# KiCad board 11-10084__speedy_processing_module__B.kicad_pcb (continued)
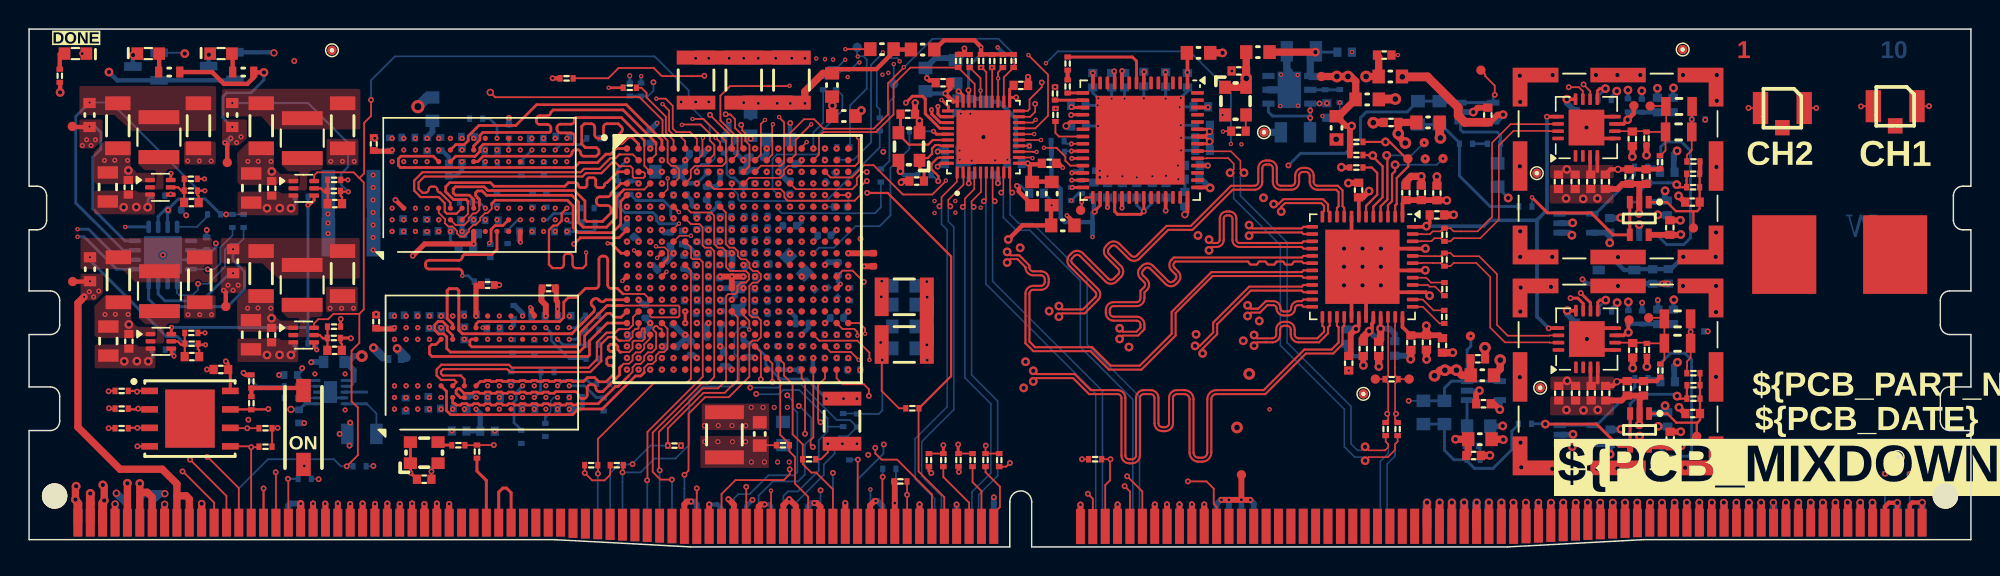
[diagram p0: board, top side]
## Routing (per net, layer and track width the routed paths; a pad name or vN(x,y) marks a point on that pad's centre or on a via; arc(x,y) is an arc through that point) (continued)
/TOP_LEVEL_IO/ETH_LD1: length 4.4
  L1 w0.12: R123.1 64.79,4.45 65.4,3.84 JEDEC1.74
/TOP_LEVEL_IO/ETH_LD2: length 4.8
  L1 w0.12: JEDEC1.73 64.55,3.04 62.78,4.81 R118.1
/TOP_LEVEL_IO/ETH_TD0+: length 25.4
  L1 w0.107: 63.71,25.71 63.71,25.09 62.66,24.05 62.66,23.56 v1(62.52,23.41)
  L10 w0.107: v1(62.52,23.41) 62.66,23.27 62.66,22.19 63.04,21.81 63.04,9.63 60.84,7.43 60.84,4.67 62.19,3.32 62.19,2.51
/TOP_LEVEL_IO/ETH_TD0-: length 25.4
  L1 w0.107: 64.17,25.71 64.17,24.9 63.12,23.86 63.12,23.56 v1(63.27,23.41)
  L10 w0.107: 62.66,2.51 62.66,3.51 61.3,4.86 61.3,7.24 63.5,9.44 63.5,22 63.12,22.38 63.12,23.27 v1(63.27,23.41)
/TOP_LEVEL_IO/ETH_TD1+: length 24.9
  L1 w0.107: v1(64.12,23.37) 64.26,23.52 64.26,23.95 64.91,24.59 64.91,25.71
  L10 w0.107: v1(64.12,23.37) 64.26,23.23 64.26,11.63 66.05,9.84 66.05,5.08 64.74,3.77 64.74,2.51
/TOP_LEVEL_IO/ETH_TD1-: length 24.9
  L1 w0.107: 65.37,25.71 65.37,24.4 64.72,23.76 64.72,23.52 v1(64.87,23.37)
  L10 w0.107: 65.21,2.51 65.21,3.58 66.51,4.89 66.51,10.03 64.72,11.82 64.72,23.23 v1(64.87,23.37)
/TOP_LEVEL_IO/ETH_TD2+: length 27.4
  L1 w0.107: 65.71,25.71 65.71,23.91 v1(65.56,23.76)
  L10 w0.107: v1(65.56,23.76) 65.71,23.62 65.71,18.07 73.25,10.53 73.25,1.6
/TOP_LEVEL_IO/ETH_TD2-: length 27.4
  L1 w0.107: v1(66.31,23.76) 66.17,23.91 66.17,25.71
  L10 w0.107: 73.71,1.6 73.71,10.72 66.17,18.26 66.17,23.62 v1(66.31,23.76)
/TOP_LEVEL_IO/ETH_TD3+: length 27.6
  L1 w0.107: v1(66.76,24.36) 66.91,24.5 66.91,25.71
  L10 w0.107: v1(66.76,24.36) 66.91,24.22 66.91,22.64 67.78,21.77 68.73,21.77 72.19,18.31 72.19,13.74 75.79,10.13 75.79,2.51
/TOP_LEVEL_IO/ETH_TD3-: length 27.6
  L1 w0.107: 67.37,25.71 67.37,24.5 v1(67.51,24.36)
  L10 w0.107: v1(67.51,24.36) 67.37,24.22 67.37,22.83 67.97,22.23 68.92,22.23 72.65,18.5 72.65,13.93 76.26,10.33 76.26,2.51
/TOP_LEVEL_IO/Ethernet/ETH_INT_PU_B: length 15.8
  L1 w0.2: v2(62.66,30.73) 62.68,30.73 63.14,30.27 63.14,30.01 U17.31
  L3 w0.12: v2(53.06,23.39) 53.96,23.39 54.39,23.82 55.1,23.82 56.08,24.8 56.08,28.08 56.66,28.66 57.61,28.66 59.95,31 62.38,31 v2(62.66,30.73)
/TOP_LEVEL_IO/Ethernet/ETH_MDC: length 30.7
  L1 w0.12: U17.13 68.94,27.17 68.96,27.16 v2(69.18,27.16)
  L5 w0.12: v2(59.01,32.59) 59,32.59 59,32.24 58.69,31.93 57.25,31.93 56.41,31.1 56.41,29.47 55.42,28.48 51.06,28.48 50.28,27.69 50.28,26.94 49.12,25.79 v2(48.26,25.79)
  L7 w0.12: v2(59.01,32.59) 59,32.59 59,30.51 61.49,28.02 64.54,28.02 64.92,27.64 68.12,27.64 68.45,27.97 68.96,27.97 69.16,27.77 69.16,27.18 v2(69.18,27.16)
/TOP_LEVEL_IO/Ethernet/ETH_MDIO: length 30.4
  L1 w0.12: v1(48.9,29.02) 48.98,28.94 48.98,28.64 49.19,28.42 49.19,27.92 49.47,27.64 49.47,26.19 49.07,25.79
  L1 w0.15: v4(68.69,27.56) 68.68,27.57 U17.14
  L5 w0.12: v1(48.9,29.02) 48.98,29.02 49.28,28.72 55.3,28.72 56.15,29.57 56.15,31.2 57.41,32.45 58.59,32.45 v2(58.6,32.46)
  L7 w0.12: v4(68.69,27.56) 68.36,27.24 64.74,27.24 64.33,27.64 61.13,27.64 58.59,30.18 58.59,32.45 v2(58.6,32.46)
/TOP_LEVEL_IO/Ethernet/ETH_PHYRSTB: length 24.9
  L1 w0.12: v2(68.91,26.73) 68.86,26.77 U17.12
  L5 w0.12: v2(68.91,26.73) 68.22,27.42 68.22,31.81 67.46,32.57 63.66,32.57 60.9,29.81 59.25,29.81 57.05,27.61 56.56,27.61 54.32,25.37 54.32,24.97 53.86,24.51 v2(53.86,24.19)
/TOP_LEVEL_IO/Ethernet/ETH_RXC: length 17.3
  L1 w0.114: IC1.B17 54.25,26.98 54.25,28.23 54.55,28.52 58.16,28.52 59.36,29.73 59.36,31.79 60.52,32.95 63.8,32.95 R114.2 64.94,31.82 U17.27
/TOP_LEVEL_IO/Ethernet/ETH_RXCTL: length 23.7
  L1 w0.114: R113.2 64.61,32.95 65.34,32.23 v2(65.34,31.37) ; U17.26 65.34,31.42
  L5 w0.102: v2(50.66,24.99) 51.07,24.57 51.79,24.57 51.92,24.44 51.92,23.25 52.15,23.01 53.59,23.01 54.3,23.73 54.88,23.73 57.81,26.65 62.93,26.65 63.31,27.03 63.31,27.51 65.35,29.55 65.35,31.36 v2(65.34,31.37)
/TOP_LEVEL_IO/Ethernet/ETH_RXD0: length 23.3
  L1 w0.114: v2(65.37,32.95) 65.43,32.95 65.74,32.64 65.74,30.61 ; 49.07,24.99 49.46,25.37 51.59,25.37 51.84,25.63 51.84,25.92 52.11,26.19 56.73,26.19 56.97,26.44 v1(56.97,28.16)
  L5 w0.102: v2(65.37,32.95) 63.09,32.95 61.1,30.96 59.8,30.96 57,28.16 v1(56.97,28.16)
/TOP_LEVEL_IO/Ethernet/ETH_RXD1: length 17.9
  L1 w0.114: 53.06,27.49 53.4,27.83 v2(53.4,27.83) ; 66.14,32.93 66.14,30.61
  L5 w0.102: v2(53.4,27.83) 53.41,27.84 55.37,27.84 56.4,28.87 57.28,28.87 61.7,33.29 65.8,33.29 66.11,32.98 v2(66.11,32.95)
/TOP_LEVEL_IO/Ethernet/ETH_RXD2: length 22.3
  L1 w0.114: R110.1 66.54,32.63 v2(66.54,32.21) 66.54,32.21 U17.23
  L5 w0.102: v2(66.54,32.21) 63.95,32.21 63.34,31.6 63.34,30.59 61.32,28.56 58.44,28.56 58.09,28.21 58.09,28.2 57.5,27.62 57.5,27.22 54.85,24.57 54.48,24.57 54.28,24.37 54.28,24.09 53.91,23.73 52.58,23.73 52.26,23.4 v2(52.26,23.39)
  L10 w0.12: R110.1 66.54,32.63 v2(66.54,32.21)
/TOP_LEVEL_IO/Ethernet/ETH_RXD3: length 24.9
  L1 w0.114: v2(67.66,33.41) 67.66,33.01 ; R111.1 66.94,32.28 U17.22 ; v2(60.07,32.98) 60.07,32.96 58.98,31.87 58.98,29.73 58,28.75 54.56,28.75 53.91,29.4 53.22,29.4 52.26,28.44 IC1.A15
  L10 w0.12: v2(67.66,33.41) 67.65,33.42 67.65,33.85 66.57,34.93 62.04,34.93 60.09,32.98 v2(60.07,32.98)
/TOP_LEVEL_IO/Ethernet/ETH_SYSCLK: length 12.7
  L10 w0.12: v2(53.86,20.19) 54.24,20.57 55.28,20.57 56.76,22.05 58.42,22.05 59.15,22.79 59.15,26.07 60.46,27.37 R116.1
/TOP_LEVEL_IO/Ethernet/ETH_TXC: length 24.9
  L1 w0.114: U17.20 68.57,29.97 68.7,30.11 68.7,30.76 69.54,31.6 v1(69.54,31.93)
  L7 w0.102: v2(56.91,33.72) 56.91,33.71 57.32,33.71 57.72,33.31 58.95,33.31 59.41,33.76 62.54,33.76 63.74,32.56 67.41,32.56 68.05,31.93 v1(69.54,31.93)
  L10 w0.12: 56.86,34.6 56.86,33.76 v2(56.91,33.72) 56.91,33.78 56.95,33.74 57.29,33.74 57.52,33.51 57.52,31.5 56.38,30.35 R124.1
/TOP_LEVEL_IO/Ethernet/ETH_TXCTL: length 20.3
  L1 w0.114: v1(69.09,30.46) 69.09,29.91 68.75,29.57 U17.19
  L7 w0.102: v2(59.38,33.19) 59.59,32.99 59.59,32.99 61.05,31.53 63.07,31.53 64.16,30.44 68.96,30.44 68.98,30.46 v1(69.09,30.46)
  L10 w0.12: 58.49,25.94 59.08,26.53 59.08,30.61 59.38,30.91 v2(59.38,33.19)
/TOP_LEVEL_IO/Ethernet/ETH_TXD0: length 17.4
  L1 w0.114: U17.18 68.93,29.17 v2(69.12,29.36)
  L7 w0.102: v2(57.02,33.31) 57.39,32.93 59.15,32.93 59.17,32.9 59.18,32.9 61.46,30.62 61.46,29.83 61.93,29.36 v2(69.12,29.36)
  L10 w0.12: v2(57.02,33.31) 56.92,33.31 56.34,32.73 55.79,32.73 55.42,32.36
/TOP_LEVEL_IO/Ethernet/ETH_TXD1: length 26.7
  L1 w0.114: U17.17 69.1,28.77 69.97,29.64 69.97,32.47 v2(68.63,33.81)
  L7 w0.102: v2(58.63,34) 58.96,34.33 63.13,34.33 63.63,33.82 68.61,33.82 68.62,33.81 v2(68.63,33.81)
  L10 w0.12: R126.1 56.63,26.62 57.82,27.81 57.82,33.14 58.62,33.94 58.62,33.99 v2(58.63,34)
/TOP_LEVEL_IO/Ethernet/ETH_TXD2: length 20.1
  L1 w0.114: v2(69.02,28.38) 69.01,28.37 U17.16
  L7 w0.102: v2(59.79,33.38) 59.81,33.36 62.11,33.36 63.56,31.91 65.81,31.91 66.17,31.54 68.97,31.54 69.57,30.94 69.57,29.33 69.02,28.78 v2(69.02,28.38)
  L10 w0.12: v2(59.79,33.38) 59.79,33.45 59.63,33.6 58.94,33.6 58.22,32.88 58.22,30.28 58.42,30.08 R127.1
/TOP_LEVEL_IO/Ethernet/ETH_TXD3: length 23.6
  L1 w0.114: U17.15 v2(69.49,27.97)
  L7 w0.102: v2(56.04,33.49) 56.7,34.15 57.46,34.15 58,33.61 58.87,33.61 59.34,34.07 62.86,34.07 63.56,33.37 66.51,33.37 67.05,32.83 69.58,32.83 69.9,32.52 69.9,32.08 69.9,32.08 69.9,31.78 69.9,31.77 69.9,28.38 v2(69.49,27.97)
  L10 w0.12: R128.1 54.53,32.62 54.91,33 55.55,33 v2(56.04,33.49)
/TOP_LEVEL_IO/Ethernet/ETH_VCC1V0: length 8.9
  L1 w0.12: 66.54,25.01 v1(66.53,25)
  L1 w0.2: C233.2 67.34,31.46 U17.21 ; U17.3 64.54,25 v1(64.53,24.99) ; U17.38 v1(62.39,27.17) ; 63.74,30.61 63.47,30.61 63.46,30.61 ; U17.8 66.54,25.01 ; v1(67.78,30.9) 67.34,30.9
  L1 w0.3: 63.46,30.61 62.92,31.15 v1(62.92,31.17) 63.26,31.51 C126.2
  L10 w0.3: v1(62.92,31.17) 61.71,31.17 ; C129.2 64.53,25.35 v1(64.53,24.99)
  L10 w0.4: v1(62.39,27.17) 62.47,27.25 62.96,27.25 ; C232.2 66.53,25.35 v1(66.53,25)
/TOP_LEVEL_IO/FE_CH1/IN_N: length 5.7
  L1 w0.25: v3(109.78,29.37) 109.49,29.08 U3.7
  L1 w0.3: v3(109.78,29.37) 110.21,29.8 TP15.1
  L10 w0.25: v3(109.78,29.37) 109.78,29.89
  L10 w0.3: R6.2 C10.2 C7.2 ; R5.1 110.73,29.91
/TOP_LEVEL_IO/FE_CH1/IN_P: length 7.9
  L1 w0.114: U3.6 110.98,28.58 ; TP17.1 112.38,30.31 ; 112.03,26.9 112.38,27.25 C1.1 111.08,28.53 ; 112.43,30.28 112.43,28.58
/TOP_LEVEL_IO/FE_CH2/IN_N: length 5.5
  L1 w0.25: U7.7 109.52,14.54 109.72,14.75 109.82,14.75 v3(109.83,14.75) 109.83,15.55
  L10 w0.25: v3(109.83,14.75) R17.1
  L10 w0.3: R17.1 110.75,15.34 ; R18.2 C26.2 C29.2
/TOP_LEVEL_IO/FE_CH2/IN_P: length 7.5
  L1 w0.114: TP18.1 112.23,15.75 ; C21.1 C20.1 112.3,12.85 R13.1 ; U7.6 111,14.04 ; R14.2 112.29,13.99
/TOP_LEVEL_IO/FPGA_T19: length 31.1
  L1 w0.12: JEDEC1.81 76.45,3.81 v1(75.41,4.85) ; v2(56.88,14.53) 56.88,14.77 56.66,14.99 55.85,14.99 IC1.T19
  L7 w0.12: v1(75.41,4.85) 75.08,5.18 75.08,9.17 69.23,15.03 57.31,15.03 56.88,14.6 v2(56.88,14.53)
/TOP_LEVEL_IO/FPGA_T20: length 29.3
  L1 w0.12: IC1.T20 57.03,15.39 57.41,15.01 v2(57.41,14.65) ; v1(75.23,4.18) 75.6,3.81 JEDEC1.80
  L7 w0.12: v1(75.23,4.18) 74.71,4.7 74.71,8.99 69.04,14.65 v2(57.41,14.65)
/TOP_LEVEL_IO/FPGA_U17: length 31.8
  L1 w0.12: JEDEC1.78 73.9,4.25 74.23,4.58 74.23,5.99 v1(74.26,6.03) 74.18,6.03 74.18,6.03 R174.1 ; IC1.U17 54.26,14.18 56.88,14.18 57.71,13.35 v2(57.71,12.85)
  L7 w0.12: v1(74.26,6.03) 74.23,6.06 74.23,8.83 69.57,13.49 58.35,13.49 v2(57.71,12.85)
/TOP_LEVEL_IO/FPGA_U20: length 34.6
  L1 w0.12: v1(79.58,4.5) 80.86,4.5 81.35,4.01 81.35,2.95 81.55,2.75 JEDEC1.87
  L7 w0.12: v1(79.58,4.5) 77.21,4.5 75.48,6.23 75.48,9.33 69.41,15.4 57.07,15.4 v2(56.26,14.59)
/TOP_LEVEL_IO/FPGA_V12: length 20.7
  L1 w0.12: IC1.V12 50.25,13.39 v1(50.25,11.52) ; JEDEC1.68 60.3,3.58 v1(60.29,3.59) 60.29,4.49
  L5 w0.12: v1(60.29,3.59) 60.29,4.43 59.2,5.52 53.84,5.52 50.76,8.6 50.76,10.46 50.25,10.97 v1(50.25,11.52)
/TOP_LEVEL_IO/FPGA_V13: length 20.9
  L1 w0.12: v1(58.62,4.81) 58.6,4.79 JEDEC1.66
  L5 w0.12: v2(50.66,13.79) 50.66,13.12 48.94,11.41 48.94,9.44 49.45,8.93 49.95,8.93 54.46,4.43 58.23,4.43 v1(58.62,4.81)
  L10 w0.12: v1(58.62,4.81) 58.62,5.36
/TOP_LEVEL_IO/FPGA_V18: length 26.2
  L1 w0.12: JEDEC1.77 73.05,3.31 v1(72.71,3.65) ; v2(56.97,12.86) 56.81,13.02 56.81,13.03 56.43,13.4 56.43,13.4 55.04,13.4 IC1.V18
  L7 w0.12: v1(72.71,3.65) 67.71,8.65 67.71,11.28 67.1,11.89 58.03,11.89 57.25,12.68 57.15,12.68 v2(56.97,12.86)
/TOP_LEVEL_IO/FPGA_W13: length 16.6
  L1 w0.12: JEDEC1.64 56.9,5.98 v1(56.92,6) ; v1(51.05,11.34) 51.05,11.44 51.04,11.45 51.04,12.6 IC1.W13
  L5 w0.12: v1(51.05,11.34) 51.53,10.86 51.53,8.31 53.84,6 v1(56.92,6)
  L10 w0.12: v1(56.92,6) 56.33,6
/TOP_LEVEL_IO/FPGA_W14: length 13.3
  L1 w0.12: IC1.W14 51.84,12.6 51.84,11.78 52.43,11.19 52.43,7.74 53.13,7.04 53.13,5.7 53.72,5.11 54.05,5.11 55.2,3.96 JEDEC1.62
/TOP_LEVEL_IO/FPGA_Y14: length 11.6
  L1 w0.12: IC1.Y14 51.46,11.54 51.58,11.41 51.58,7.7 52.22,7.07 52.22,6.56 52.6,6.18 52.6,4.35 53.5,3.45 JEDEC1.60
/TOP_LEVEL_IO/FPGA_Y18: length 16.5
  L1 w0.12: JEDEC1.70 62,3.61 59.61,6 58.54,6 58.11,6.43 v1(58.11,6.81) ; IC1.Y18 54.66,11.59 54.17,11.11 54.17,8.74 v1(54.35,8.57)
  L7 w0.12: v1(54.35,8.57) 57.14,8.57 58.11,7.6 v1(58.11,6.81)
/TOP_LEVEL_IO/I2C0_SCL: length 34.6
  L7 w0.12: v2(49.86,27.39) 49.86,26.23 48.68,25.05 48.68,10.94 49.12,10.5 49.81,10.5 49.93,10.38 v1(49.93,10.52)
  L10 w0.12: 54.83,8.29 54.83,8.85 52.89,10.78 51.78,10.78 51.49,10.5 50.05,10.5 50.03,10.52 v1(49.93,10.52) ; 54.83,8.29 54.83,7.94 54.22,7.33 54.22,5.24 52.8,3.82 52.12,3.82 51.8,3.5 JEDEC1.202 ; 54.83,8.29 54.85,8.27 R39.1
/TOP_LEVEL_IO/I2C0_SDA: length 30.8
  L7 w0.12: v2(49.86,23.39) 49.45,22.98 49.45,16.01 49.79,15.67 49.79,14.67 49.14,14.02 49.14,11.28 49.47,10.95 v1(49.53,10.95)
  L10 w0.12: R38.1 56.39,8.72 55.47,8.72 53.01,11.18 51.68,11.18 51.46,10.95 v1(49.53,10.95) ; 56.89,8.22 56.82,8.22 56.21,7.6 55.62,7.6 55.32,7.3 55.32,6.41 54.58,5.67 54.58,4.96 52.65,3.03 JEDEC1.203
/TOP_LEVEL_IO/INIT_B: length 20.6
  L1 w0.12: v1(43.86,6.97) 43.86,8.14 46.31,10.59 47.77,10.59 48.3,11.13 ; 41.42,5.67 v1(41.44,5.69)
  L1 w0.123: IC1.R10 48.66,15.78 48.66,11.49 48.3,11.13
  L7 w0.12: 41.42,5.67 41.42,5.72
  L10 w0.12: 41.42,5.67 41.37,5.67 ; 41.37,5.67 40.51,5.67 39.9,5.06 JEDEC1.188 ; 41.37,5.67 42.67,6.97 v1(43.86,6.97)
/TOP_LEVEL_IO/LASER_SYNC_INPUT: length 21.9
  L7 w0.12: v1(52.86,9.69) 52.63,9.92 52.63,19.13 53.06,19.55 v2(53.06,20.19)
  L10 w0.12: JEDEC1.200 50.1,3.53 51.07,4.5 52.8,4.5 53.27,4.97 53.27,7.03 53.72,7.47 53.72,8.87 52.9,9.69 v1(52.86,9.69)
/TOP_LEVEL_IO/LD_MIO/VMODE[0]/MIO7: length 41.5
  L1 w0.12: v1(46.38,32.39) 46.35,32.37 43.45,32.37 42.89,32.92 40.48,32.92 39.78,32.22 37.33,32.22 ; IC1.D8 47.04,24.6 51.61,24.6 51.87,24.35 51.87,24.03 52.1,23.8 56.69,23.8 57.09,24.21 57.09,24.77 57.48,25.15 v1(57.53,25.15)
  L7 w0.12: v1(57.53,25.15) 57.32,25.15 57.03,25.44 57.03,26.13 57.95,27.05 57.95,31.57 56.62,32.9 48.71,32.9 48.2,32.39 v1(46.38,32.39)
/TOP_LEVEL_IO/PGA_SCLK: length 98.3
  L1 w0.12: v2(50.53,29.35) 50.25,29.07 50.25,26.97 49.87,26.59 ; v1(105.73,31.6) 106.43,31.6 106.7,31.34 U3.11
  L1 w0.2: v1(105.86,17.1) 106.36,17.1 106.73,16.74 U7.11
  L3 w0.12: v2(54.06,33.58) 55.41,34.93 98.65,34.93 101.98,31.6 v1(105.73,31.6) 105.73,31.95 106.01,32.23 107,32.23 107.52,31.7 107.52,30.55 107.82,30.25 111.83,30.25 114.73,27.36 114.73,17.33 113.02,15.62 107.34,15.62 v1(105.86,17.1)
  L5 w0.12: v2(50.53,29.35) 50.53,30.83 51.83,32.13 52.58,32.13 54.03,33.58 v2(54.06,33.58)
/TOP_LEVEL_IO/PGA_SDIO: length 93.9
  L1 w0.12: U3.10 107.2,31.34 106.75,31.79 v1(106.75,31.8)
  L1 w0.2: U7.10 107.23,16.79 v1(106.56,17.45)
  L3 w0.12: v2(53.06,24.99) 53.29,24.99 54.19,25.89 54.19,28.24 57.18,31.22 59,31.22 59.61,31.83 62.01,31.83 62.45,32.27 65.94,32.27 66.4,32.73 69.42,32.73 69.53,32.62 71.85,32.62 72.51,31.96 81.5,31.96 82.37,31.1 91.92,31.1 93.5,29.52 97.25,29.52 99.26,27.51 99.26,20.93 101.62,18.56 105.9,18.56 106.56,17.9 v1(106.56,17.45) 107.9,16.11 110.89,16.11 111.35,16.57 111.35,19.46 108.58,22.23 108.58,28.58 106.75,30.42 v1(106.75,31.8)
/TOP_LEVEL_IO/PGA_~{CS_CH1}: length 70.5
  L1 w0.12: IC1.B13 51.04,26.97 51.04,27.88 51.03,27.89 51.03,28.98 51.08,29.03 v2(51.08,29.05)
  L1 w0.2: U3.9 107.7,31.36 107.85,31.51 v3(108.25,31.51)
  L3 w0.12: v3(108.25,31.51) 108.25,32.76 105.77,35.24 54.99,35.24 53.72,33.96 53.72,33.38 53.86,33.24 54.37,33.24 v2(54.66,33.53)
  L5 w0.12: v2(54.66,33.53) 54.66,33.48 52.73,31.55 52.73,30.24 52.52,30.03 51.41,30.03 51.08,29.7 v2(51.08,29.05)
  L10 w0.2: R8.1 107.75,31.01 v3(108.25,31.51)
/TOP_LEVEL_IO/PGA_~{CS_CH2}: length 81.3
  L1 w0.12: 49.86,25.8 50.26,26.2 51.61,26.2 51.85,26.44 51.85,29.19 51.51,29.53 v2(51.51,29.55)
  L1 w0.2: U7.9 107.73,16.82 107.88,16.97 v3(108.28,16.97)
  L3 w0.12: v3(108.28,16.97) 108.28,17.76 107.11,18.92 107.11,18.92 107.06,18.98 102.05,18.98 99.73,21.29 99.73,27.71 98.17,29.28 98.17,31.86 96.79,33.23 80.39,33.23 79.14,34.47 68.07,34.47 67.42,33.83 59.24,33.83 58.26,32.85 55.88,32.85 v2(55.21,33.51)
  L5 w0.12: v2(55.21,33.51) 55.21,33.49 54.36,32.63 54.36,30.53 53.38,29.55 v2(51.51,29.55)
  L10 w0.2: R20.1 107.78,16.47 v3(108.28,16.97)
/TOP_LEVEL_IO/PLL/AC0: length 1.1
  L1 w0.2: U13.23 71.66,27.21 71.66,27.21
  L10 w0.12: v4(71.58,27.21) 71.16,27.21
/TOP_LEVEL_IO/PLL/AC1: length 1.4
  L1 w0.12: v4(71.57,27.71) U13.22
  L10 w0.12: R43.2 71.27,27.71 v4(71.57,27.71)
/TOP_LEVEL_IO/PLL/AC2: length 0.7
  L1 w0.2: U13.28 71.7,24.71
  vias: v4(71.62,24.71)
/TOP_LEVEL_IO/PLL/ADC_CLK+: length 30.7
  L1 w0.107: v3(82.48,25.72) 82.72,25.97 82.72,26.35 82.34,26.73 80.91,26.73 80.89,26.71 U13.47 ; v3(91.75,5.93) 91.99,6.17 93.31,6.17 93.8,6.67 93.8,7.06 93.98,7.24 R136.1
  L10 w0.107: v3(91.75,5.93) 91.51,6.17 91.03,6.17 90.32,6.89 90.32,9.47 85.93,13.86 85.93,20.75 82.72,23.95 82.72,25.48 v3(82.48,25.72)
/TOP_LEVEL_IO/PLL/ADC_CLK-: length 29.9
  L1 w0.107: R137.1 93.16,7.24 93.34,7.06 93.34,6.86 93.12,6.64 91.99,6.64 v3(91.75,6.88) ; U13.48 80.89,27.21 80.91,27.19 82.54,27.19 83.18,26.54 83.18,25.97 v3(83.43,25.72)
  L10 w0.107: v3(83.43,25.72) 83.18,25.48 83.18,24.14 86.39,20.94 86.39,14.05 90.78,9.66 90.78,7.08 91.22,6.64 91.51,6.64 v3(91.75,6.88)
/TOP_LEVEL_IO/PLL/IF0: length 1.3
  L1 w0.15: U13.27 71.68,25.21
  L10 w0.2: v4(71.6,25.21) 72.27,25.21
/TOP_LEVEL_IO/PLL/IF1: length 1.5
  L1 w0.2: U13.26 v4(71.6,25.71)
  L10 w0.2: v4(71.6,25.71) 71.76,25.86 R40.2
/TOP_LEVEL_IO/PLL/INTREF: length 1.1
  L1 w0.114: C73.2 83.55,29.68
/TOP_LEVEL_IO/PLL/REFINOUT: length 0.7
  L1 w0.3: R46.2 R48.1
/TOP_LEVEL_IO/PLL/TEST: length 2.8
  L1 w0.12: R45.2 70.48,28.45 70.72,28.21 U13.21
/TOP_LEVEL_IO/PLL_~{RSTn}: length 24.2
  L1 w0.12: v2(62.96,25.18) 62.96,25.16 62.03,24.23 60.01,24.23 57.99,26.24 57.35,26.24 56.51,25.4 55.04,25.4 IC1.C18
  L1 w0.15: 72.28,23.22 v4(72.28,23.71) 72.28,23.74 72.57,24.03 U13.29
  L3 w0.12: v4(72.28,23.71) 71.87,23.3 71.04,23.3 70.38,22.64 63.22,22.64 62.91,22.95 62.91,25.13 v2(62.96,25.18)
  L10 w0.12: v4(72.28,23.71) 72.28,23.18
/TOP_LEVEL_IO/PROG_B: length 21.9
  L1 w0.12: IC1.L6 45.45,18.99 45.45,11.56 45.18,11.29 42.93,11.29 39.06,7.42 v1(39.06,5.04)
  L10 w0.12: JEDEC1.187 39.05,4.87 39.06,4.88 v1(39.06,5.04)
/TOP_LEVEL_IO/PS_CLK_EXT: length 4.7
  L1 w0.2: R59.2 30.75,5.21 31.4,4.57 JEDEC1.34
/TOP_LEVEL_IO/PS_POR_B: length 77.1
  L1 w0.12: v1(21.81,5.54) 22.58,6.31 22.58,9.58 22.14,10.01 22.14,13.49 22.68,14.02 22.68,16.02 ; U22.6 19.57,25.54 19.78,25.75 22.28,25.75 22.68,25.35 ; 22.68,25.35 22.98,25.05 22.98,16.33 22.68,16.02 ; 22.68,25.35 23.01,25.68 23.01,29.15 23.48,29.63 v1(23.48,30.73) ; 22.68,16.02 20.9,16.02 20.53,15.65 19.86,15.65 19.56,15.36 U23.6
  L10 w0.12: v1(23.48,30.73) 23.48,32.08 25.13,33.73 42.95,33.73 45.29,31.38 45.29,30.4 46.73,28.96 46.73,27.95 47.08,27.6 47.08,26.71 46.7,26.33 46.16,26.33 45.86,26.03 v2(45.86,25.79) ; JEDEC1.158 14.4,4.02 16.4,6.03 20.92,6.03 21.41,5.54 R67.2
/TOP_LEVEL_IO/PS_RST: length 49.4
  L1 w0.12: IC1.B10 48.65,26.98 48.65,28.14 47.48,29.31 47.48,31.02 48.14,31.68 52.19,31.68 v2(52.22,31.71) ; R107.1 61.08,9.51 61.08,5.19 62.85,3.42 JEDEC1.71
  L1 w0.15: R107.1 63.32,11.74 63.32,19.98 58.96,24.33 57.76,24.33 57.76,24.34 v1(57.55,24.34)
  L7 w0.12: v1(57.55,24.34) 57.53,24.36 57.5,24.36 57.41,24.46 57.38,24.46 56.6,25.24 56.6,30.47 55.37,31.71 v2(52.22,31.71)
/TOP_LEVEL_IO/SCL: length 94.8
  L1 w0.2: 71.68,26.71 71.68,26.71 U13.24
  L5 w0.12: v1(12.26,19.08) 12.15,18.97 10.85,18.97 10.28,18.4 10.28,15.76 10.93,15.12 12.52,15.12 17.04,10.6 17.04,9 19.86,6.18 41.58,6.18 50.28,14.88 50.28,25.09 50.55,25.37 52.64,25.37 v2(53.06,25.79)
  L7 w0.12: v2(53.06,25.79) 53.45,25.39 55.15,25.39 55.5,25.04 55.5,24.41 57.46,22.45 67.16,22.45 70.43,25.72 70.43,26.27 70.87,26.71 v4(71.6,26.71)
  L10 w0.12: R97.1 13.97,21.42 13.13,20.58 13.13,19.49 12.72,19.08 v1(12.26,19.08) 12.25,19.09 U24.4
/TOP_LEVEL_IO/SDA: length 95.6
  L1 w0.12: v2(69.69,27.44) 70.56,27.44 71.17,26.83 71.17,26.55 71.5,26.21 U13.25
  L5 w0.12: v2(50.66,25.79) 50.18,25.79 49.5,25.11 49.5,15.94 48.28,14.72 48.28,13.36 41.4,6.48 20.01,6.48 17.39,9.1 17.39,10.74 13.23,14.91 13.23,16.42 11.6,18.04 v1(11.6,18.09)
  L7 w0.12: v2(69.69,27.44) 69.69,26.65 68.76,25.71 61.72,25.71 59.81,23.8 57.51,23.8 56.25,25.06 56.25,26.13 55.35,27.03 51.46,27.03 50.66,26.23 v2(50.66,25.79)
  L10 w0.12: U24.5 10.16,17.45 10.31,17.3 11.22,17.3 11.6,17.68 v1(11.6,18.09) 12.29,18.09 13.46,19.26 13.46,20.45 13.84,20.83 14.37,20.83 14.73,21.19 R98.1
/TOP_LEVEL_IO/SPI_CS/MIO1: length 77.7
  L1 w0.12: v1(12.23,6.19) 12.25,6.19 14.4,4.04 JEDEC1.14 ; IC1.A7 45.86,28.06 45.4,28.52 44.45,28.52 44.2,28.77 44.2,30.33 43.71,30.82 v2(43.08,30.82)
  L1 w0.15: U15.1 R55.1
  L5 w0.155: v1(7.41,10.67) 7.74,10.67 v1(12.23,6.19)
  L7 w0.155: v1(7.41,10.67) 7.34,10.67 6.83,10.17 6.83,7.7 7.03,7.5 15.31,7.5 15.57,7.75 15.57,13.95 16.28,14.66 17.55,14.66 18.2,15.32 18.2,18.35 21.15,21.29 21.15,25.66 21.15,25.66 21.15,27.97 22.78,29.6 31.47,29.6 32.69,30.82 43.07,30.82 v2(43.08,30.82)
/TOP_LEVEL_IO/SPI_DQ0/BOOT_MODE[3]/MIO2: length 61.4
  L1 w0.12: v1(15.25,6.85) 15.19,6.92 U15.5 ; v1(15.25,6.85) 15.75,6.85 ; v1(15.25,6.85) JEDEC1.15 ; v2(44.83,29.01) 44.86,29.04 46.12,29.04 46.75,28.41 46.75,27.94 47.05,27.64 47.05,26.98 IC1.B8
  L7 w0.155: v2(44.83,29.01) 44.8,29.04 44.29,29.04 43.51,29.83 34.86,29.83 33.76,28.73 23.57,28.73 23.13,28.3 23.13,21.38 19.9,18.14 19.9,16.15 20.64,15.41 20.64,8.94 18.59,6.89 15.39,6.89 15.36,6.92 15.31,6.92 v1(15.25,6.85)
/TOP_LEVEL_IO/SPI_DQ1/BOOT_MODE[1]/MIO3: length 76
  L1 w0.12: v2(45.56,29.42) 46.32,29.42 47.28,28.45 47.29,28.45 47.49,28.26 47.49,28.25 47.85,27.89 47.85,26.44 47.61,26.19 45.71,26.19 45.44,25.92 45.44,25.37 IC1.D6 ; v1(11.05,6) 13.55,3.51 JEDEC1.13
  L1 w0.15: U15.2 6.85,9.46
  L5 w0.155: v1(7.49,9.51) 10.99,6 v1(11.05,6)
  L7 w0.155: 45.36,29.62 v2(45.56,29.42) 45.33,29.65 45.33,30.61 43.18,32.77 41.4,32.77 41.4,32.77 41.09,32.77 41.09,32.77 21.4,32.77 16.2,27.57 15.11,27.57 12.89,25.34 12.89,23.95 10.84,21.9 10.84,18.13 9.22,16.51 9.22,11.23 v1(7.49,9.51)
/TOP_LEVEL_IO/SPI_DQ2/BOOT_MODE[2]/MIO4: length 68.5
  L1 w0.12: v2(46.28,28.12) 46.28,28.09 46.24,28.06 46.24,26.97 IC1.B7 ; JEDEC1.12 12.7,3.05 10.56,5.19 v1(10.54,5.19)
  L1 w0.15: U15.3 6.83,8.19
  L5 w0.155: v1(7.44,8.19) 7.5,8.19 10.49,5.19 v1(10.54,5.19)
  L7 w0.155: v2(46.28,28.12) 46.23,28.12 44.06,30.28 44.06,30.65 43.3,31.42 41.09,31.42 40.36,32.15 39.5,32.15 39.18,31.82 35.03,31.82 34.64,32.21 22.8,32.21 17.98,27.39 17.98,25.56 16.91,24.49 15.95,24.49 15.21,23.76 15.21,20.83 11.32,16.95 11.32,12.07 v1(7.44,8.19)
/TOP_LEVEL_IO/SPI_DQ3/BOOT_MODE[0]/MIO5: length 57.8
  L1 w0.12: v2(43.5,30.44) 43.95,29.99 43.95,28.62 44.33,28.24 44.7,28.24 45.06,27.89 IC1.A6 ; v1(16.93,5.13) 16.95,5.12 JEDEC1.17
  L1 w0.155: U15.7 16.4,9.46 v1(16.43,9.48)
  L5 w0.155: v1(16.93,5.13) 16.89,5.18 16.89,7.7 16.4,8.19 16.4,9.46 v1(16.43,9.48)
  L7 w0.155: v2(43.5,30.44) 43.49,30.44 32.91,30.44 31.54,29.06 23.29,29.06 22.78,28.56 22.78,21.9 19.21,18.33 19.21,13.53 17.9,12.22 17.9,10.88 16.51,9.48 v1(16.43,9.48)
/TOP_LEVEL_IO/SPI_SCK/BOOT_MODE[4]/MIO6: length 55.8
  L1 w0.12: R64.1 13.84,8.16
  L1 w0.155: v1(16.1,4.02) JEDEC1.16
  L1 w0.184: v2(39.8,31.57) R54.2
  L5 w0.155: v1(16.1,4.02) 16.1,4.02 16.1,6.81 14.98,7.93 v1(14.98,8.16)
  L7 w0.155: v1(14.98,8.16) 14.96,8.13 14.55,8.13 13,9.68 13,15.86 19.68,22.54 19.68,28.45 22.98,31.76 34.31,31.76 34.75,31.31 39.55,31.31 v2(39.8,31.57)
/TOP_LEVEL_IO/SPI_SCLK_FB/VMODE[1]/MIO8: length 62.5
  L1 w0.12: v1(17.78,4.68) 17.8,4.66 JEDEC1.18 ; v8(31.67,31.25) 32,30.92 41.93,30.92 43.5,29.34 43.5,28.28 43.85,27.93 43.85,26.45 44.1,26.2 44.39,26.2 44.64,25.95 44.64,25.37 IC1.D5
  L5 w0.15: v1(17.78,4.68) 16.61,4.68 16.4,4.89 16.4,7.4 v1(15.06,8.74)
  L7 w0.15: v8(31.67,31.25) 23.11,31.25 20.06,28.2 20.06,22.33 14.14,16.41 14.14,10.52 15.06,9.61 v1(15.06,8.74)
  L10 w0.15: v1(17.78,4.68) R56.2
/TOP_LEVEL_IO/TCK: length 28.1
  L1 w0.12: v1(45,4.96) 45.28,5.24 45.28,9.15 46.43,10.29 48.05,10.29 49.46,11.7 49.46,13.98 49.67,14.18 50.02,14.18 50.25,14.41 50.25,15.58 50.05,15.78 49.65,15.78 49.46,15.97 49.46,17.94 49.7,18.17 50.01,18.17 50.24,18.4 50.24,18.75 50.01,18.97 49.7,18.97 49.46,19.2 49.46,19.52 49.21,19.77 48.9,19.77 48.67,20 48.67,20.32 48.41,20.57 48.1,20.57 47.84,20.83 47.84,23 IC1.F9
  L10 w0.12: JEDEC1.194 45,4.01 45,4.02 v1(45,4.96)
/TOP_LEVEL_IO/TDI: length 25.6
  L1 w0.12: v1(44.14,4.63) 43.35,4.63 42.82,5.16 42.82,7.86 46.2,11.23 46.6,11.23 47.05,11.68 47.05,20.34 46.81,20.57 46.41,20.57 46.25,20.73 46.25,21.98 46.04,22.19 45.45,22.19 IC1.G6
  L10 w0.12: JEDEC1.193 44.15,4.62 v1(44.14,4.63)
/TOP_LEVEL_IO/TDO: length 29.1
  L1 w0.12: v1(43.3,5.26) 43.25,5.31 43.25,7.91 46.25,10.9 47.32,10.9 47.86,11.44 47.86,17.23 48.01,17.38 48.49,17.38 48.64,17.53 48.64,17.92 48.9,18.17 49.21,18.17 49.44,18.4 49.44,18.75 49.21,18.97 48.12,18.97 47.87,19.23 47.87,20.32 47.61,20.57 47.3,20.57 47.05,20.82 47.05,22.77 46.82,22.99 45.45,22.99 IC1.F6
  L5 w0.12: 43.38,5.24 43.33,5.24 v1(43.3,5.26)
  L10 w0.12: v1(43.3,5.26) 43.3,5.09 43.3,5.08 43.3,3.08 JEDEC1.192
/TOP_LEVEL_IO/TMS: length 21.9
  L1 w0.12: IC1.J6 45.46,20.58 45.46,19.89 45.57,19.78 46.06,19.78 46.26,19.58 46.26,11.7 42.46,7.91 42.46,4.6 v1(42.44,4.58)
  L10 w0.12: JEDEC1.191 42.45,4.57 v1(42.44,4.58)
/TOP_LEVEL_IO/TRIGGER_IN_0: length 16.1
  L1 w0.12: v1(53.28,7.78) 53.28,11.36 53.05,11.59 53.05,12.18 ; v1(45.85,4.03) 45.85,3.72 45.85,3.72 JEDEC1.51
  L7 w0.12: v1(45.85,4.03) 48.36,6.54 50.97,6.54 52.19,7.75 53.26,7.75 v1(53.28,7.78)
/TOP_LEVEL_IO/TRIGGER_IN_1: length 15.9
  L1 w0.12: JEDEC1.53 47.55,3.63 48.51,4.59 51.83,4.59 52.23,4.99 v1(52.23,5.33) ; IC1.Y17 53.86,7.53 53.67,7.34 53.67,7.02 v1(53.82,6.86)
  L7 w0.12: v1(52.23,5.33) 52.24,5.34 52.99,5.34 53.82,6.17 v1(53.82,6.86)
/TOP_LEVEL_IO/TRIGGER_OUT_0: length 22.3
  L1 w0.12: IC1.Y19 55.46,11.6 55.87,11.18 57.32,11.18 57.67,10.84 v1(57.67,10.38) ; JEDEC1.55 49.25,3.07 v1(49.25,4.13)
  L7 w0.12: v1(49.25,4.13) 49.85,4.73 57.48,4.73 59.84,7.09 59.84,8.22 v1(57.67,10.38)
/TOP_LEVEL_IO/TRIGGER_OUT_1: length 25.6
  L1 w0.12: v2(50.95,3.87) JEDEC1.57
  L7 w0.12: v2(53.86,13.79) 53.46,13.39 53.46,12.51 54.99,10.98 58.18,10.98 60.17,8.99 60.17,5.21 59.33,4.38 51.46,4.38 v2(50.95,3.87)
